# Altium PCB STM32MINI.PcbDoc (part 1 of 3)
Units mm, origin at the board's own origin, x right, y up, seen from the top; angles counter-clockwise.
Board outline 100.33 x 100 mm, 2 copper layers (Top Layer, Bottom Layer); 81 components, 96 nets, 408 pads, 94 vias.
Unrouted connection lines stored in the file: 4.
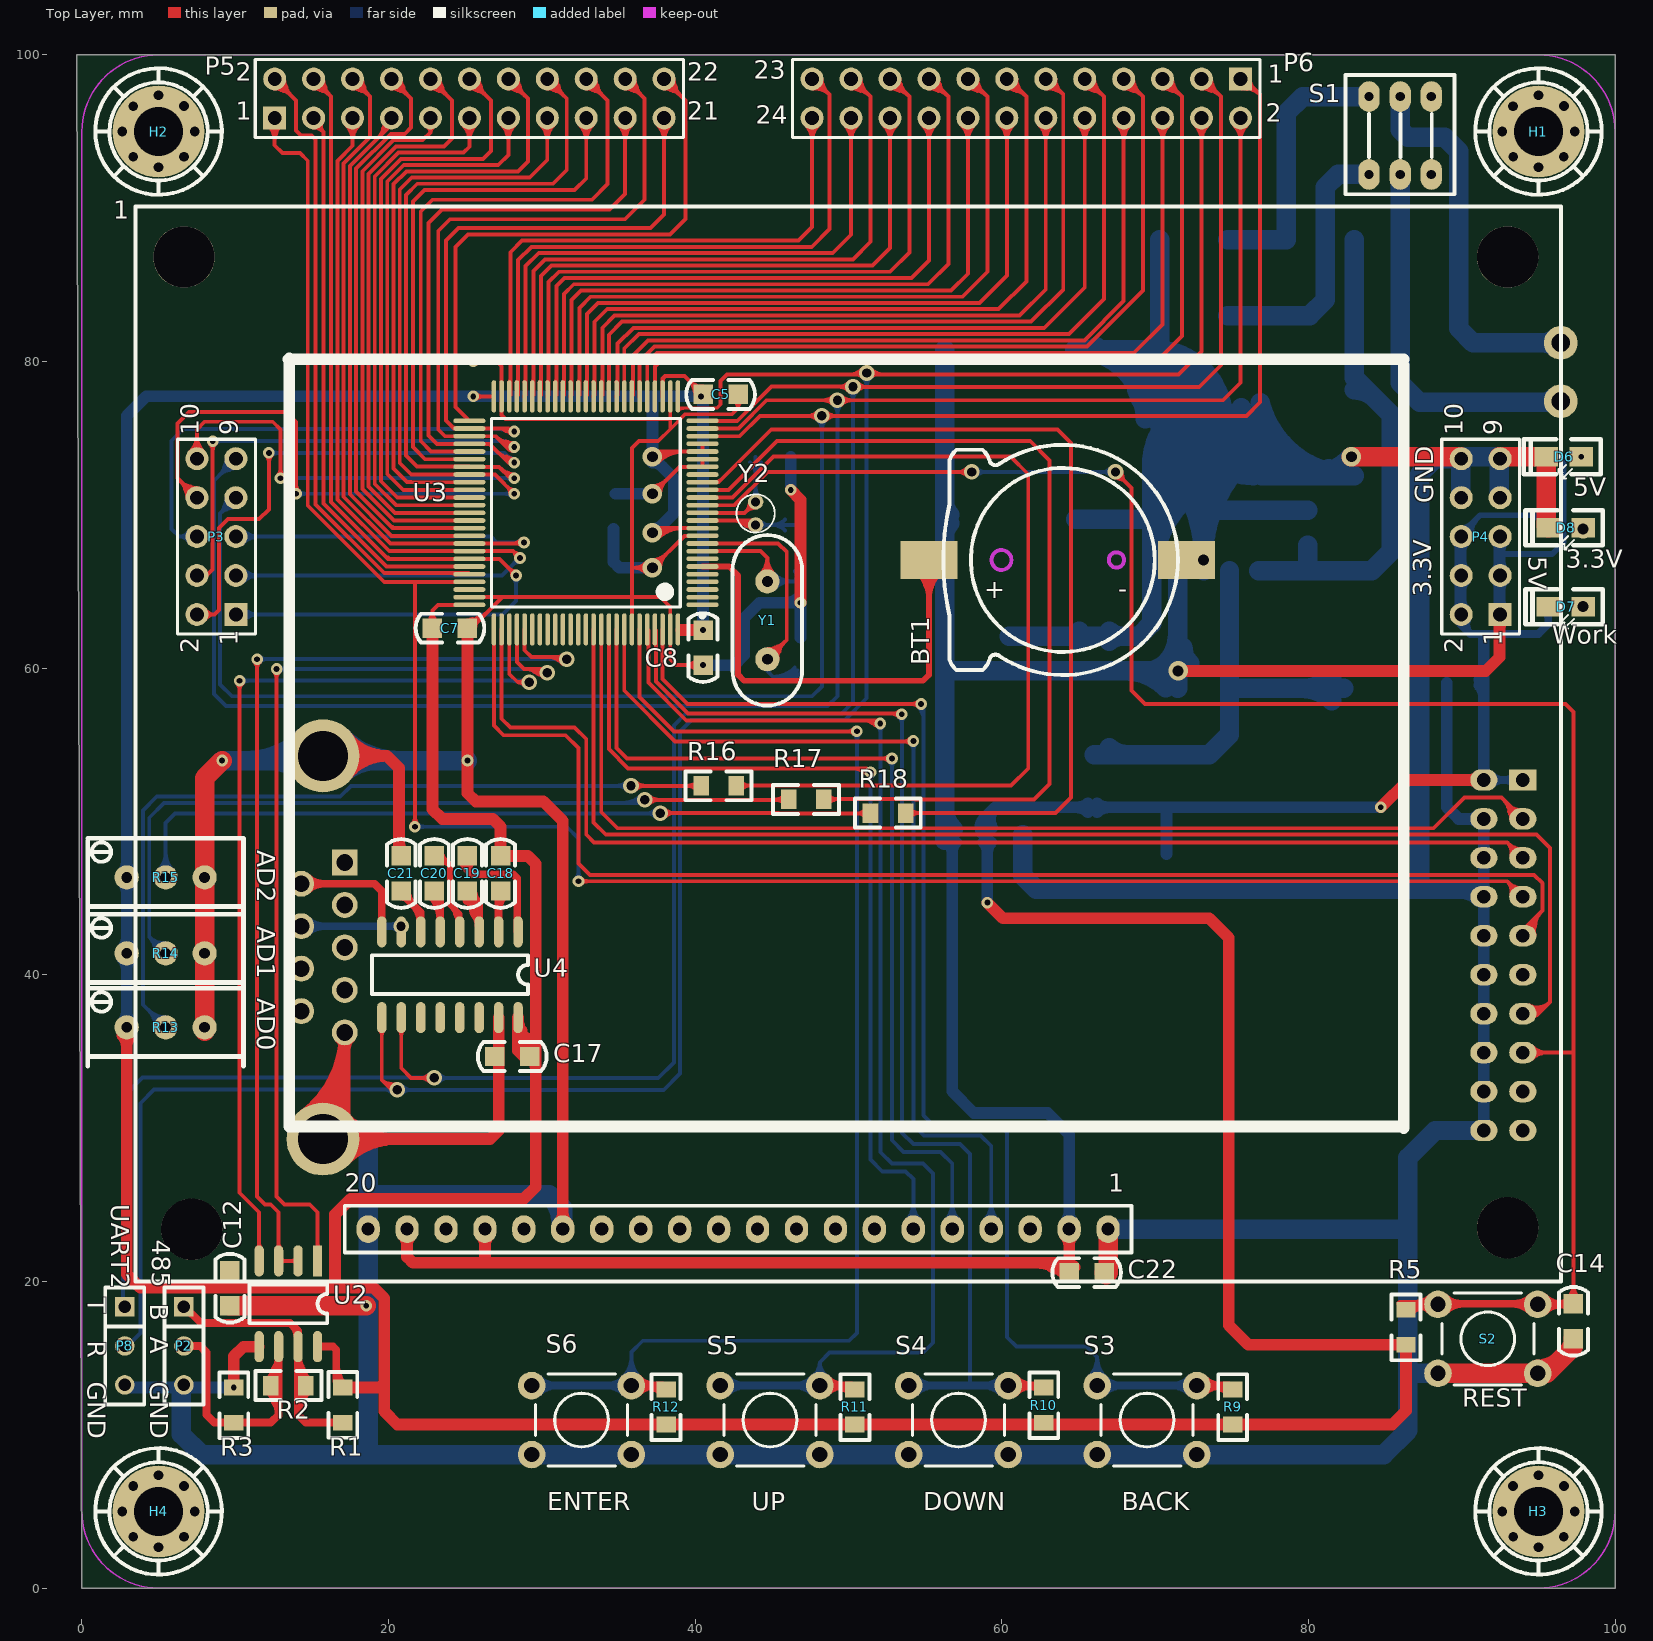
[diagram p0: Top Layer view]
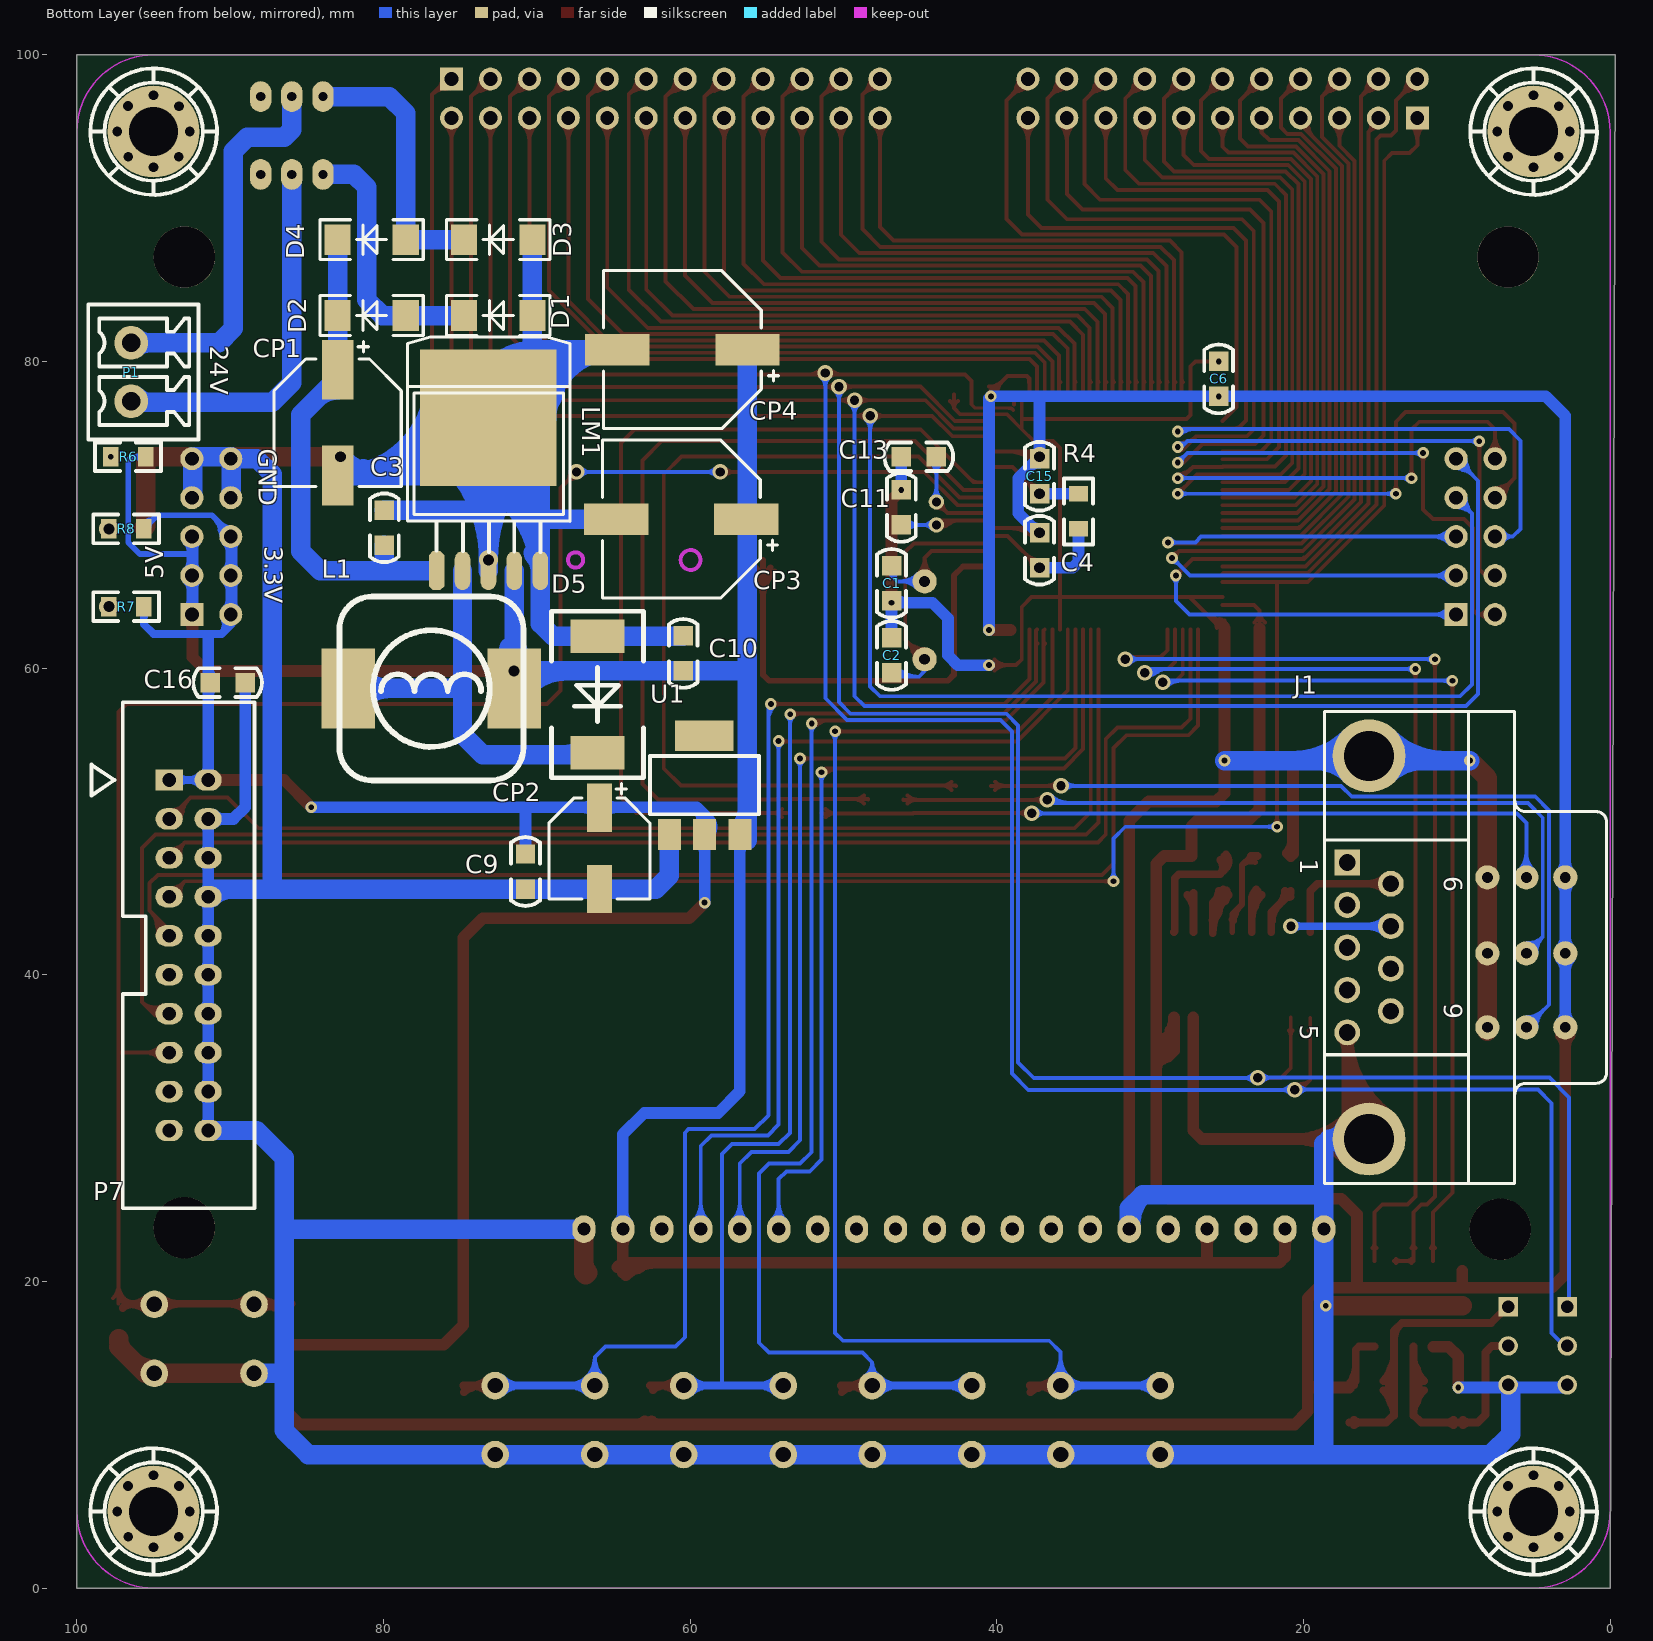
[diagram p1: Bottom Layer view, seen from below]

## Layer stack, top to bottom
Top Solder: solder mask 0.0102, Solder Resist, Dk 3.5
Top Layer: signal copper 0.0356
Dielectric1: core 0.32, FR-4, Dk 4.8
Bottom Layer: signal copper 0.0356
Bottom Solder: solder mask 0.0102, Solder Resist, Dk 3.5

## Board outline
0,0 100,0 100,100 -0.33,100

## Design rules (kind name [scope] priority, off if disabled: settings)
Clearance [All] p1: gap=0.152
PolygonConnect [All] p1: connectstyle=Relief reliefconductorwidth=0.254 reliefentries=4 polygonreliefangle="90 Angle" airgapwidth=0.254
RoutingVias [All] p1: holewidth=0.711 width=1.27 viastyle="Through Hole" minholewidth=0.711 minwidth=1.27 maxholewidth=0.711 maxwidth=1.27
SilkToSilkClearance [All] p1: silktosilkclearance=0.152
SolderMaskExpansion [All] p1: expansion=0.102
Width Width_Power [InNetClass('Net_Power')] p1: maxlimit=1.27 minlimit=0.152 preferedwidth=0.762
Width Width_GND [InNetClass('Net_GND')] p2: maxlimit=2.032 minlimit=0.152 preferedwidth=1.27
Width [All] p3: maxlimit=2.54 minlimit=0.152 preferedwidth=0.381
28 further rules are at their usual default settings.

## Components (designator, comment, footprint, x,y, rotation, side; value= is the part's Value field where it differs from the comment)
1 "12864" YX12864B 3.5,20 r0 top
BT1 "3.6V" CR1220 55.245,67.056 r0 top
C1 "10p" 0805C 46.863,64.389 r90 bottom
C2 "10p" 0805C 46.863,61.976 r270 bottom
C3 "104" 0805C 79.945,68.01 r90 bottom
C4 "104" 0805C 37.211,68.834 r270 bottom
C5 "104" 0805C 40.513,77.851 r0 top
C6 "104" 0805C 25.527,77.724 r90 bottom
C7 "104" 0805C 22.86,62.611 r0 top
C8 "104" 0805C 40.513,62.484 r270 top
C9 "104" 0805C 70.739,47.879 r270 bottom
C10 "104" 0805C 60.452,59.817 r90 bottom
C11 "10p" 0805C 46.228,71.628 r270 bottom
C12 "104" 0805C 9.652,20.701 r270 top
C13 "10p" 0805C 46.228,73.787 r180 bottom
C14 "104" 0805C 97.282,16.256 r90 top
C15 "104" 0805C 37.211,71.374 r90 bottom
C16 "104" 0805C 91.313,59.055 r180 bottom
C17 "104" 0805C 26.924,34.671 r0 top
C18 "104" 0805C 27.305,45.466 r90 top
C19 "104" 0805C 25.146,45.466 r90 top
C20 "104" 0805C 22.987,45.466 r90 top
C21 "104" 0805C 20.828,45.466 r90 top
C22 "104" 0805C 66.675,20.574 r180 top
CP1 "100uF/50V" CAP_8X105 82.993,76.011 r270 bottom
CP2 "47uF/25V" CAP_6.3X5.4 65.913,48.243 r270 bottom
CP3 "470uF/25V" CAP_10X105 60.579,69.723 r0 bottom
CP4 "470uF/25V" CAP_10X105 60.511,80.772 r0 bottom
D1 "M7" SMA 70.293,82.996 r0 bottom
D2 "M7" SMA 78.548,82.996 r0 bottom
D3 "M7" SMA 70.293,87.949 r0 bottom
D4 "M7" SMA 78.548,87.949 r0 bottom
D5 "SS34" SMC 66.04,62.083 r270 bottom
D6 "LED" LED_0805 97.79,73.787 r180 top
D7 "LED" LED_0805 97.917,64.008 r180 top
D8 "LED" LED_0805 97.917,69.151 r180 top
H1 "铜柱孔" HOLE 95,95 r0 top
H2 "铜柱孔" HOLE 5,95 r0 top
H3 "铜柱孔" HOLE 95,5 r0 top
H4 "铜柱孔" HOLE 5,5 r0 top
J1 "D Connector 9" DSUB1.385-2H9 6.223,41.783 r270 bottom
L1 "100uH/GDRH127" SMDRH124/125/127 82.296,58.674 r90 bottom
LM1 "LM2596S" TO-263S 76.516,66.359 r180 bottom
P1 "POWER" 3.81-2 96.458,81.218 r270 bottom
P2 "485" SIP3 6.651,15.795 r270 top
P3 "Header 5X2" HDR2X5 10.04,63.5 r90 top
P4 "Header 5X2" HDR2X5 92.5,63.5 r90 top
P5 "Header 11X2H" HDR2X11 12.573,95.885 r0 top
P6 "Header 12X2" HDR2X12 75.565,98.425 r180 top
P7 "JTAG" JTAG20 93.98,52.705 r90 bottom
P8 "485" SIP3 2.794,15.795 r270 top
R1 "10K" 0805R 17.018,10.795 r90 top
R2 "120" 0805R 12.319,13.208 r0 top
R3 "10K" 0805R 9.906,13.081 r270 top
R4 "0" 0805R 34.671,71.374 r270 bottom
R5 "10K" 0805R 86.36,18.161 r270 top
R6 "1K" 0805R 95.504,73.787 r0 bottom
R7 "1K" 0805R 95.631,64.008 r0 bottom
R8 "1K" 0805R 95.631,69.088 r0 bottom
R9 "10K" 0805R 75.057,12.954 r270 top
R10 "10K" 0805R 62.738,13.081 r270 top
R11 "10K" 0805R 50.419,12.954 r270 top
R12 "10K" 0805R 38.1,12.954 r270 top
R13 "Res_Var" VR1 2.921,36.576 r0 top
R14 "Res_Var" VR1 2.921,41.402 r0 top
R15 "Res_Var" VR1 2.921,46.355 r0 top
R16 "103" 0805R 42.672,52.324 r180 top
R17 "103" 0805R 48.387,51.435 r180 top
R18 "103" 0805R 53.721,50.546 r180 top
S1 "自锁开关" 自锁开关 85.986,92.207 r180 top
S2 "KEY" "SW_PB - 6.5x4.5" 91.694,16.256 r180 top
S3 "微动开关" "SW_PB - 6.5x4.5" 69.468,10.958 r180 top
S4 "微动开关" "SW_PB - 6.5x4.5" 57.174,10.958 r180 top
S5 "微动开关" "SW_PB - 6.5x4.5" 44.881,10.958 r180 top
S6 "微动开关" "SW_PB - 6.5x4.5" 32.587,10.958 r180 top
U1 "AMS1117" SOT223 61.355,49.149 r180 bottom
U2 "SP3485" SO-8 15.367,21.336 r270 top
U3 "STM32F103VET6" LQFP100 40.473,64.128 r180 top
U4 "MAX3232" SO-16 28.448,42.799 r270 top
Y1 "8M" XTAL2 44.704,60.579 r90 top
Y2 "32.768" XTAL1 43.942,70.842 r270 top

## Footprints (in the part's own frame and the unit in brackets; to place one, negate y for a bottom-side part, rotate by r counter-clockwise, add the part's x,y. Pads: shape width x height; smd on the part's side, far side on the other; paste and mask are expansions set on the pad)
3.81-2 [mm]
  round 2.2 hole 1.2: 1(0,0) 2(3.81,0)
  silkscreen extent -2.49,-2.8 6.3,4.4
0805C [mil]
  rect 50x50 smd: 1(0,0) 2(90,0)
  silkscreen extent -43,-37 133,37
0805R [mil]
  rect 40x50 smd: 1(0,0) 2(90,0)
  silkscreen extent -39,-37 130,37
CAP_6.3X5.4 [mm] "47u/25V"
  rect 3.15x1.6 smd: 1(-2.65,0) 2(2.65,0)
  silkscreen extent -4.22,-3.3 3.3,3.3
CAP_8X105 [mm] "100uF/50V"
  rect 3.9x2.05 smd: 1(-3.45,0) 2(3.45,0)
  silkscreen extent -5.28,-4.15 4.15,4.15
CAP_10X105 [mm] "470uF/25V"
  rect 4.2x2.05 smd: 1(-4.25,0) 2(4.25,0)
  silkscreen extent -6.27,-5.15 5.15,5.15
CR1220 [mm]
  rect 3.7x2.5 smd: 1(0,0) 2(16.799,0)
  Keep-Out Layer circle w0.254: c12.23,0 r0.5
  Keep-Out Layer circle w0.254: c4.73,0 r0.65
  silkscreen extent 0.94,-7.51 16.24,7.51
DSUB1.385-2H9 [mm] "Connector; D Subminiature; 9 Position; Right Angle; Pitch 1.385 mm"
  rect 1.69x1.69 hole 1.09: 1(-5.54,-10.92)
  round 1.69 hole 1.09: 2(-2.77,-10.92) 3(0,-10.92) 4(2.77,-10.92) 5(5.54,-10.92) 6(-4.155,-8.08) 7(-1.385,-8.08) 8(1.385,-8.08) 9(4.155,-8.08)
  round 4.76 hole 3.26: 10(-12.495,-9.5) 11(12.495,-9.5)
  silkscreen extent -15.4,-12.4 15.4,6
HDR2X5 [mm] "Connector; Header; 5x2 Position"
  rect 1.5x1.5 hole 0.9: 1(0,0)
  round 1.5 hole 0.9: 2(0,2.54) 3(2.54,0) 4(2.54,2.54) 5(5.08,0) 6(5.08,2.54) 7(7.62,0) 8(7.62,2.54) 9(10.16,0) 10(10.16,2.54)
  silkscreen extent -1.27,-1.27 11.43,3.81
HDR2X11 [mm] "Connector; Header; 11x2 Position"
  rect 1.5x1.5 hole 0.9: 1(0,0)
  round 1.5 hole 0.9: 2(0,2.54) 3(2.54,0) 4(2.54,2.54) 5(5.08,0) 6(5.08,2.54) 7(7.62,0) 8(7.62,2.54) 9(10.16,0) 10(10.16,2.54) 11(12.7,0) 12(12.7,2.54) 13(15.24,0) 14(15.24,2.54) 15(17.78,0) 16(17.78,2.54) 17(20.32,0) 18(20.32,2.54) 19(22.86,0) 20(22.86,2.54) 21(25.4,0) 22(25.4,2.54)
  silkscreen extent -1.27,-1.27 26.67,3.81
HDR2X12 [mm] "Connector; Header; 12x2 Position"
  rect 1.5x1.5 hole 0.9: 1(0,0)
  round 1.5 hole 0.9: 2(0,2.54) 3(2.54,0) 4(2.54,2.54) 5(5.08,0) 6(5.08,2.54) 7(7.62,0) 8(7.62,2.54) 9(10.16,0) 10(10.16,2.54) 11(12.7,0) 12(12.7,2.54) 13(15.24,0) 14(15.24,2.54) 15(17.78,0) 16(17.78,2.54) 17(20.32,0) 18(20.32,2.54) 19(22.86,0) 20(22.86,2.54) 21(25.4,0) 22(25.4,2.54) 23(27.94,0) 24(27.94,2.54)
  silkscreen extent -1.27,-1.27 29.21,3.81
HOLE [mm] "铜柱孔"
  round 6 hole 3.2: 0(0,0)
  silkscreen extent -4.13,-4.12 4.13,4.12
JTAG20 [mil]
  rect 55x70 hole 35: 1(0,0)
  oval 55x70 hole 35: 2(0,-100) 3(-100,0) 4(-100,-100) 5(-200,0) 6(-200,-100) 7(-300,0) 8(-300,-100) 9(-400,0) 10(-400,-100) 11(-500,0) 12(-500,-100) 13(-600,0) 14(-600,-100) 15(-700,0) 16(-700,-100) 17(-800,0) 18(-800,-100) 19(-900,0) 20(-900,-100)
  silkscreen extent -1100,-219 200,200
LED_0805 [mil]
  rect 60x50 smd: 1(0,0) 2(90,0)
  silkscreen extent -50,-45 148,56
LQFP100 [mm]
  oval 2.1x0.3 smd: 1(0,0) 2(0,-0.5) 3(0,-1) 4(0,-1.5) 5(0,-2) 6(0,-2.5) 7(0,-3) 8(0,-3.5) 9(0,-4) 10(0,-4.5) 11(0,-5) 12(0,-5.5) 13(0,-6) 14(0,-6.5) 15(0,-7) 16(0,-7.5) 17(0,-8) 18(0,-8.5) 19(0,-9) 20(0,-9.5) 21(0,-10) 22(0,-10.5) 23(0,-11) 24(0,-11.5) 25(0,-12) 51(15.2,-12) 52(15.2,-11.5) 53(15.2,-11) 54(15.2,-10.5) 55(15.2,-10) 56(15.2,-9.5) 57(15.2,-9) 58(15.2,-8.5) 59(15.2,-8) 60(15.2,-7.5) 61(15.2,-7) 62(15.2,-6.5) 63(15.2,-6) 64(15.2,-5.5) 65(15.2,-5) 66(15.2,-4.5) 67(15.2,-4) 68(15.2,-3.5) 69(15.2,-3) 70(15.2,-2.5) 71(15.2,-2) 72(15.2,-1.5) 73(15.2,-1) 74(15.2,-0.5) 75(15.2,0)
  oval 0.3x2.1 smd: 26(1.6,-13.6) 27(2.1,-13.6) 28(2.6,-13.6) 29(3.1,-13.6) 30(3.6,-13.6) 31(4.1,-13.6) 32(4.6,-13.6) 33(5.1,-13.6) 34(5.6,-13.6) 35(6.1,-13.6) 36(6.6,-13.6) 37(7.1,-13.6) 38(7.6,-13.6) 39(8.1,-13.6) 40(8.6,-13.6) 41(9.1,-13.6) 42(9.6,-13.6) 43(10.1,-13.6) 44(10.6,-13.6) 45(11.1,-13.6) 46(11.6,-13.6) 47(12.1,-13.6) 48(12.6,-13.6) 49(13.1,-13.6) 50(13.6,-13.6) 76(13.6,1.6) 77(13.1,1.6) 78(12.6,1.6) 79(12.1,1.6) 80(11.6,1.6) 81(11.1,1.6) 82(10.6,1.6) 83(10.1,1.6) 84(9.6,1.6) 85(9.1,1.6) 86(8.6,1.6) 87(8.1,1.6) 88(7.6,1.6) 89(7.1,1.6) 90(6.6,1.6) 91(6.1,1.6) 92(5.6,1.6) 93(5.1,1.6) 94(4.6,1.6) 95(4.1,1.6) 96(3.6,1.6) 97(3.1,1.6) 98(2.6,1.6) 99(2.1,1.6) 100(1.6,1.6)
  silkscreen extent -0.13,-12.15 13.75,0.82
SIP3 [mil]
  rect 50x50 hole 32: 1(-100,0)
  round 50 hole 32: 2(0,0) 3(100,0)
  silkscreen extent -150,-50 150,50
SMA [mm]
  rect 1.7x2 smd: 1(0,0) 2(4.445,0)
  silkscreen extent -1.14,-1.3 5.59,1.3
SMC [mm]
  rect 2.2x3.5 smd: 1(0,0) 2(7.6,0)
  silkscreen extent -1.63,-3 9.23,3
SMDRH124/125/127 [mm] "SMDRH124/125/127：12X12X4.5/6.0/8.0；"
  rect 5.2x3.5 smd: 1(0,0) 2(0,-10.83)
  silkscreen extent -6,-11.42 6,0.58
SO-8 [mil]
  rect 80x24 smd: 1(0,0)
  oval 80x24 smd: 2(0,-50) 3(0,-100) 4(0,-150) 5(220,-150) 6(220,-100) 7(220,-50) 8(220,0)
  silkscreen extent 60,-175 160,25
SO-16 [mil]
  oval 80x24 smd: 1(0,0) 2(0,-50) 3(0,-100) 4(0,-150) 5(0,-200) 6(0,-250) 7(0,-300) 8(0,-350) 9(220,-350) 10(220,-300) 11(220,-250) 12(220,-200) 13(220,-150) 14(220,-100) 15(220,-50) 16(220,0)
  silkscreen extent 60,-375 160,25
SOT223 [mil]
  rect 59x79 smd: 1(0,0) 2(90.55,0) 3(181.1,0)
  rect 150x79 smd: ""(89.88,253.54)
  silkscreen extent -49,52 231,202
"SW_PB - 6.5x4.5" [mm]
  round 1.8 hole 1: 1(-3.25,-2.25) 1(3.25,-2.25) 2(-3.25,2.25) 2(3.25,2.25)
  silkscreen extent -3,-3 3,3
TO-263S [mil]
  oct 40x100 smd: 1(-0.98,0)
  oval 40x100 smd: 2(65.68,0) 3(132.35,0) 4(199.01,0) 5(265.68,0)
  rect 350x350 smd: 3(131.89,392.72)
  silkscreen extent -75,48 341,599
VR1 [mil]
  round 62 hole 28: 1(0,0) 2(100,0) 3(200,0)
  silkscreen extent -100,-100 300,100
XTAL1 [mm]
  round 1 hole 0.6: 1(0,0) 2(1.5,0)
  silkscreen extent -0.5,-1.25 2,1.25
XTAL2 [mil]
  round 62 hole 28: 1(0,0) 2(200,0)
  silkscreen extent -119,-89 319,89
YX12864B [mm]
  round 4 hole 4: 0(3.156,66.812) 0(3.664,3.396) 0(89.488,3.496) 0(89.488,66.812)
  oval 1.524x1.8 hole 0.86: 1(63.426,3.412) 2(60.886,3.412) 3(58.346,3.412) 4(55.806,3.412) 5(53.266,3.412) 6(50.726,3.412) 7(48.186,3.412) 8(45.646,3.412) 9(43.106,3.412) 10(40.566,3.412) 11(38.026,3.412) 12(35.486,3.412) 13(32.946,3.412) 14(30.406,3.412) 15(27.866,3.412) 16(25.326,3.412) 17(22.786,3.412) 18(20.246,3.412) 19(17.706,3.412) 20(15.166,3.412)
  silkscreen extent 0,0 92.96,70.1
自锁开关 [mm]
  oval 1.4x2 hole 0.6: 1A(2.039,0.005) 1B(2.039,-5.075) 2A(0.007,0.005) 2B(0.007,-5.075) 3A(-2.025,0.005) 3B(-2.025,-5.075)
  silkscreen extent -3.55,-6.48 3.56,1.3

## Part data
BT1: library part BATTERY, "3.6V纽扣电池"
C1 C2 C11 C13: library part Cap, "非极性电容"
C3 C4 C5 C6 C7 C8 C9 C10 C12 C14 C15 C16 C17 C18 C19 C20 C21 C22: library part Cap, "Capacitor"
CP1 CP2 CP3 CP4: library part Cap_Pol, "极性电容"
D1 D2 D3 D4: library part Diode, "Default Diode"
D5: library part Diode_Schottky, "肖特基"
J1: "Receptacle Assembly, 9 Position, Right Angle"
L1: library part Inductor, "电感"
P1: library part "Header 2", "Header, 2-Pin"
P2 P8: library part MHDR1X3, "Header, 3-Pin"
P3 P4: "Header, 5-Pin, Dual row"
P5: "Header, 11-Pin, Dual row, Right Angle"
P6: "Header, 12-Pin, Dual row"
P7: library part "Header 10X2", "Header, 10-Pin, Dual row"
R1 R2 R3 R4 R5 R6 R7 R8 R9 R10 R11 R12 R16 R17 R18: library part Res2, "Resistor"
R13 R14 R15: "可变电阻"
U1: "三端稳压器件"
U2: library part MAX485
U4: library part MAX232
Y1 Y2: library part XTAL, "Crystal Oscillator"

## Via types
v1: diameter 0.762, hole 0.381, Top Layer to Bottom Layer, 38 vias
v2: diameter 0.635, hole 0.635, Top Layer to Bottom Layer, 32 vias
v3: diameter 1.016, hole 0.61, Top Layer to Bottom Layer, 15 vias
v4: diameter 1.27, hole 0.711, Top Layer to Bottom Layer, 9 vias

## Nets (pads, with @x,y where several pads share a name; then routed paths per layer and width w, separated by ;. In a path a pad name is that pad's centre, name@x,y a point inside that pad or via, vN(x,y) a via of type N, cw(c..) or ccw(c..) an arc to the next point about the centre after c; other vN are vias at no path point)
3.3V: C4.1 C5.1 C6.1 C7.1 C8.1 C9.1 C12.1 C15.2 C16.1 C17.2 C18.2 CP2.1 P4.2 P4.4 P4.6 P7.1 P7.2 R1.2 R5.2 R7.1 R8.1 R9.2 R10.2 R11.2 R12.2 R13.1 R14.1 R15.1 U1.2 U2.8 U3.11 U3.21 U3.22 U3.28 U3.50 U3.75 U3.100 U4.16 | length 574.5
  Top Layer w0.254: C7.1@22.86,62.611 22.86,63.754 ; U3.75@25.273,64.128 23.234,64.128 22.86,63.754 ; v1@25.658,77.728 U3.50@26.873,77.728 ; v4@37.171,74.128 U3.21@40.473,74.128 U3.22@40.473,74.628 ; v4@37.505,69.128 U3.11@40.473,69.128 ; v4@37.619,74.089 ccw(c37.894,74.292) 38.065,73.997 ; v4@37.648,69.092 ccw(c37.866,69.221) 37.993,69.002 ; v4@37.702,68.703 cw(c38.077,68.602) 37.883,68.939 ; v4@37.702,73.656 cw(c38.077,73.555) 37.883,73.892 ; U3.28@37.873,77.728 37.873,78.894 38.036,79.057 ; 39.834,78.491 ccw(c40.691,78.721) C5.1@40.513,77.851 ; 39.873,78.53 cw(c39.643,77.673) C5.1@40.513,77.851 ; C5.1@40.006,78.195 ccw(c40.726,78.388) v1(40.386,77.724) ; C5.1@40.12,78.064 cw(c40.007,77.702) v1(40.386,77.724) ; C5.1@40.132,77.73 ccw(c39.569,77.744) 39.967,78.143 ccw(c40.366,78.541) C5.1@40.38,77.978 ; 22.86,63.754 cw(c21.828,63.754) 22.52,62.988 ccw(c21.828,63.754) 22.86,63.754 ; 22.86,63.754 ccw(c23.892,63.754) 23.2,62.988 cw(c23.892,63.754) 22.86,63.754 ; 38.036,79.057 ccw(c38.389,78.705) 37.896,78.631 cw(c38.389,78.705) 38.036,79.057 ; 38.036,79.057 39.307,79.057 C5.1@40.513,77.851 ; 39.646,78.718 cw(c38.779,77.851) 40.005,77.851 ccw(c38.779,77.851) 39.646,78.718 ; 39.646,78.718 ccw(c40.513,79.585) 40.513,78.359 cw(c40.513,79.585) 39.646,78.718 ; 39.853,78.419 ccw(c40.958,78.715) v1(40.386,77.724) ; 39.853,78.419 ccw(c40.958,78.715) v1(40.386,77.724) ; 39.853,78.419 ccw(c40.958,78.715) v1(40.386,77.724) ; 39.855,78.412 ccw(c40.421,78.563) C5.1@40.397,77.978 ; 39.855,78.412 ccw(c40.421,78.563) C5.1@40.397,77.978 ; 39.855,78.412 ccw(c40.421,78.563) C5.1@40.397,77.978 ; C5.1@39.944,78.078 ccw(c40.406,78.201) v1(40.386,77.724) ; C5.1@39.944,78.078 ccw(c40.406,78.201) v1(40.386,77.724) ; C5.1@39.944,78.078 ccw(c40.406,78.201) v1(40.386,77.724) ; C5.1@40.012,77.826 ccw(c40.525,77.964) C5.1@40.259,77.504 ; C5.1@40.012,77.826 ccw(c40.525,77.964) C5.1@40.259,77.504 ; C5.1@40.012,77.826 ccw(c40.525,77.964) C5.1@40.259,77.504 ; v1(40.386,77.724) ccw(c39.773,77.724) 40.206,78.158 cw(c39.773,77.724) v1(40.386,77.724) ; v1@25.707,77.544 cw(c26.15,77.101) 26.15,77.728 ccw(c26.15,77.101) v1@25.707,77.544 ; v1@25.707,77.904 ccw(c26.131,78.328) 26.131,77.728 cw(c26.131,78.328) v1@25.707,77.904 ; v4(37.211,68.834) cw(c37.921,68.124) 37.921,69.128 ccw(c37.921,68.124) v4(37.211,68.834) ; v4(37.211,73.787) cw(c38.034,72.964) 38.034,74.128 ccw(c38.034,72.964) v4(37.211,73.787) ; v4@37.391,68.654 cw(c38.534,67.511) 38.534,69.128 ccw(c38.534,67.511) v4@37.391,68.654 ; v4@37.391,73.607 cw(c38.647,72.351) 38.647,74.128 ccw(c38.647,72.351) v4@37.391,73.607 ; v4@37.57,68.475 cw(c39.147,66.898) 39.147,69.128 ccw(c39.147,66.898) v4@37.57,68.475 ; v4@37.57,73.428 cw(c39.261,71.737) 39.261,74.128 ccw(c39.261,71.737) v4@37.57,73.428 ; 39.773,78.591 cw(c38.906,77.724) 40.132,77.724 ccw(c38.906,77.724) 39.773,78.591